# Altium PCB openmv-ae3.PcbDoc (part 3 of 3)
Units mil, origin at the board's own origin, x right, y up, seen from the top; angles counter-clockwise.
Board outline 1000 x 1000 mil, 10 copper layers (Top, 2-GND, 3-H, L4-V, L5-H, L6-V, L7-PWR, L8-SIG, L9-GND, Bottom), stack 47.481 mil thick; 230 components, 156 nets, 939 pads, 483 vias.
Unrouted connection lines stored in the file: 1.
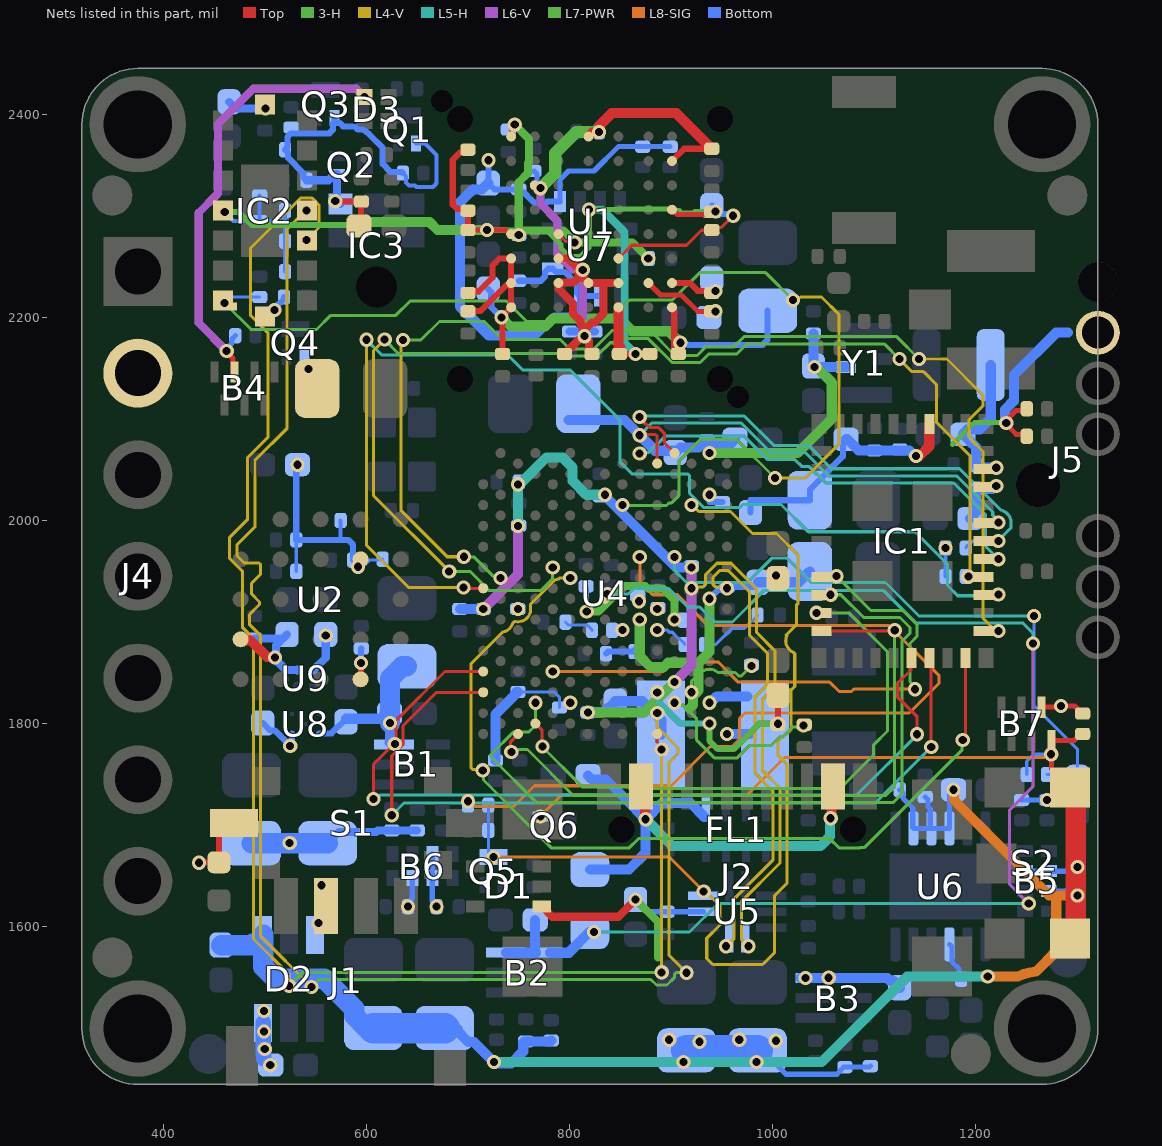
[diagram p11: the nets of this part, all layers, seen from the top]

## Via types
v1: diameter 14, hole 8, Top to Bottom, tented both sides, 183 vias
v2: diameter 14, hole 8, Top to L4-V, tented both sides, 147 vias
v3: diameter 14, hole 8, L7-PWR to Bottom, tented both sides, 83 vias
v4: diameter 14, hole 8, Top to L6-V, tented both sides, 69 vias
v5: diameter 14, hole 8, Top to Bottom, 1 vias

## Nets (pads, with @x,y where several pads share a name; then routed paths per layer and width w, separated by ;. In a path a pad name is that pad's centre, name@x,y a point inside that pad or via, vN(x,y) a via of type N, cw(c..) or ccw(c..) an arc to the next point about the centre after c; other vN are vias at no path point) (continued)
TOF_I2C_RST: IC2.A1 IC2.A8 R31.2 U4.J23 | length 1129.2
  3-H w3: v1(460.45,2214.22) 486.68,2188 551,2188 565,2202 629,2202 643,2216 738,2216 758,2196 838,2196 859.04,2217.04 901.12,2217.04 928.09,2244 993,2244 v2(1020,2217) ; v2(852.01,2015.2) 852.47,2014.74 895.48,2014.74 898.21,2017.46 900.46,2017.46 907.52,2024.52 907.52,2058.52 929,2080 964.08,2080 v2(1002.22,2041.86)
  L4-V w3: v2(1002.22,2041.86) 1031.86,2041.86 1065,2075 1065,2203 1048,2220 1027.26,2220 1026.36,2219.1 1022.1,2219.1 v2(1020,2217)
  Bottom w3: v1(460.45,2214.22) 461.93,2214.22 467.71,2220 R31.2@495,2220
TOF_I2C_SCL: IC2.C4 R30.1 U4.L3 | length 1503.5
  3-H w3: v2(546,1541) 553.34,1548.34 879.98,1548.34 885.48,1542.84 895.84,1542.84 903.16,1550.16 903.16,1553.24 904.92,1555 v2(915,1555)
  L4-V w3: v1(540.93,2305.17) 540.17,2305.17 522,2287 522,2091 490.17,2059.17 490.17,1993.59 472.49,1975.91 472.49,1965.56 479.82,1958.23 494.24,1958.23 496,1956.48 496,1947.39 486.87,1938.26 486.87,1927.91 494.88,1919.9 494.88,1917.41 485.18,1907.72 485.18,1897.36 496,1886.54 496,1591 v2(546,1541) ; v2(886.26,1810.47) 886.26,1796.74 906.78,1776.22 906.78,1770.78 897.66,1761.66 897.66,1572.34 v2(915,1555)
TOF_I2C_SDA: IC2.C3 R29.1 U4.L1 | length 1512.7
  Top w3: U4.L1@886.26,1790 886.26,1781.5 890.66,1777.1 v2(890.66,1774.66)
  3-H w3: v2(524,1542) 537.34,1555.34 v2(890.66,1555.34)
  L4-V w3: v2(524,1542) 524,1553.1 489,1588.1 489,1883.64 478.18,1894.46 478.18,1949.97 465.49,1962.66 465.49,1983.49 483.17,2001.17 483.17,2062.07 503.31,2082.21 503.31,2084.69 503,2085 503,2184.96 486,2201.96 486,2267.92 535.75,2317.67 546.11,2317.67 553.43,2310.35 553.43,2288.43 v1(541,2276) ; v2(890.66,1774.66) v2(890.66,1555.34) v2@891,1555
USB_D_N: U4.N15 U5.6 | length 480.6
  L4-V w3: v2(920.02,1933.37) 921.43,1934.78 931.52,1934.78 933.97,1937.23 933.97,1946.9 945.07,1958 958.9,1958 984,1932.9 984,1890 1002,1872 1002,1836.1 989.67,1823.77 989.67,1754.11 1007.08,1736.7 1007.08,1662.92 969,1624.84 969,1588 v5(976,1581)
USB_D_P: U4.R15 U5.7 | length 457.8
  L4-V w3: v1(954,1581) 962,1589 962,1627.73 1000.08,1665.82 1000.08,1733.8 982.67,1751.21 982.67,1826.67 995,1839 995,1869.1 977,1887.1 977,1930 956,1951 947.97,1951 940.97,1944 940.97,1937.23 943.42,1934.78 953.51,1934.78 v2(954.92,1933.37)
USB_D_SEL: R18.1 U4.K18 | length 892.6
  L8-SIG w3: v3(699.9,1723.72) 701.99,1723.72 707.15,1718.55 745,1718.55 765.45,1739 900,1739 938.56,1777.56 960.1,1777.56 967.42,1784.88 967.42,1805.36 972.6,1810.53 1134.21,1810.53 1163.76,1840.08 1163.76,1847.24 1114.43,1896.57 936.57,1896.57 906.15,1927 882,1927 869.13,1939.87 v1(869.13,1964.02)
USB_D_SEL_FB: Q5.3 R18.2 R19.2 U4.N23 U5.10 | length 969.6
  L8-SIG w3: v3(725,1668.78) 898.22,1668.78 v1(932,1635)
  L4-V w3: v2(920.02,2015.26) 921.02,2015.26 927.28,2009 958.38,2009 980.03,1987.35 1003.65,1987.35 1025,1966 1025,1918.72 1023.56,1917.28 1023.56,1897.7 1013.25,1887.39 1013.84,1886.8 ccw(c1025.27,1881.74) 1020.38,1870.23 1020.77,1869.84 1021.65,1868.96 1021.65,1836.78 1017.84,1832.97 1017.84,1793.84 1014,1790 1012.76,1790 1005,1782.24 1005,1768.9 1013.96,1759.94 1013.96,1739.72 1014.08,1739.6 1014.08,1660.02 1013.96,1659.9 1013.96,1643.11 1001.82,1630.97 1001.82,1574.82 990,1563 941,1563 935,1569 935,1589 948,1602 948,1621 934,1635 v1(932,1635)
  Bottom w3: R18.2@720,1720 R19.2@720,1695 720,1673.78 v3(725,1668.78)
USB_R: R38.1 U4.K14
  other v1: 868.26,1920.58
USB_VBUS: C53.2 FL1.1 J2.A4 J2.A9 L7.1 | length 520.9
  Top w10: J2.A4@870.51,1738.46 874.12,1734.85 874.12,1706.82 v1(874.89,1706.05) ; v1(1057,1707) 1057.77,1707.77 1057.77,1736.74 J2.A9@1059.49,1738.46
  L5-H w10: v1(874.89,1706.05) 901.18,1679.77 1047.09,1679.77 1056.23,1688.92 1056.23,1706.23 v1(1057,1707)
  Bottom w10: C53.2@818.13,1749 821.97,1745.16 835.84,1745.16 855,1726 855,1725.94 v1(874.89,1706.05) ; L7.1@820,1656.5 858.5,1656.5 874.89,1672.89 v1(874.89,1706.05) ; FL1.1@932.91,1708.13 919.04,1722 890.84,1722 v1(874.89,1706.05)
USR_SW: B7.4 Q6.2 R52.2 R53.2 S2.1 S2.5 | length 808.5
  Top w5: S2.5@1292.48,1737.5 1274.53,1755.45 B7.4@1274.53,1783.66 1297.07,1783.66 1303.41,1790 R52.2@1305,1790
  Top w20: S2.1@1292.48,1588.5 1298.29,1594.31 1298.29,1731.69 S2.5@1292.48,1737.5
  L8-SIG w3: v3(771.22,1708.86) 792.36,1730 975,1730 1012,1767 1266.74,1767 1267.64,1767.9 1271.9,1767.9 v1(1274,1770)
  Bottom w3: R53.2@1250,1750 1250,1763 1257,1770 v1(1274,1770)
USR_SW_INT: C119.1 R53.1 U4.M18 | length 613
  L5-H w3: v4(903.39,1964.02) 903.39,1950.61 915,1939 975,1939 999,1963 1014,1963 1038,1939 1111,1939 1144,1906 v1(1257,1906)
  Bottom w3: v1(1257,1906) 1257,1818 1300,1775 C119.1@1300,1747.29 1297.29,1750 R53.1@1270,1750
VBUS: B2.1 B2.6 C64.1 L7.2 U4.H14 | length 1298.6
  L5-H w3: v1(824,1595) 918,1595 946,1623 v4(1252,1623) ; v4(837.03,1927.69) 857.69,1927.69 863.08,1933.08 897.92,1933.08 916,1915 928.03,1915 942.81,1900.22 960.35,1900.22 991.13,1931 1109.1,1931 1141.1,1899 1246.32,1899 1256,1889.32 v4(1256,1879)
  L6-V w3: v4(1252,1623) 1233,1642 1233,1715 1256,1738 v4(1256,1879)
  Bottom w10: B2.6@737.28,1574.68 767,1574.68 766.13,1575.56 C64.1@766.13,1607 ; B2.1@780.59,1574.68 799.21,1574.68 L7.2@820,1595.47
VCC_1.2V_CAM: C13.2 C14.2 C15.2 C16.2 C17.2 C18.2 C19.2 C71.1 C73.2 L10.2 R24.2 U1.A4 U1.B7 U1.C2 U1.F3 U1.G3 U1.G4 U1.G5 | length 938.6
  Top w6: U1.B7@900.82,2353.99 912.83,2366 C18.2@938.5,2366
  Top w8: U1.F3@789.01,2257.93 798.59,2257.93 808.7,2247.82 v1@808.7,2246.78 ; C13.2@795,2164 796.5,2164 798.5,2166 798.5,2167.5 811.37,2180.37 813.42,2180.37 v1(814.57,2181.52) ; v1(813.02,2246.78) v1@808.7,2246.78 ; v1@814.57,2185.45 v1@814.57,2184.29 ; v1@814.57,2187.5 821.97,2194.9 824.75,2194.9 833.53,2203.69 833.53,2216.11 833.3,2216.35 833.3,2233.91 ; C16.2@822,2164 821.12,2164 819.12,2166 819.12,2176.97 v1(814.57,2181.52) ; U1.G5@848.06,2233.91 833.3,2233.91 ; v1@808.7,2243.75 U1.G4@818.53,2233.91 833.3,2233.91 ; v1@808.7,2243.75 v1@808.7,2246.78 ; v1@808.7,2243.75 808.7,2238.95 804.02,2234.27 789.36,2234.27 U1.G3@789.01,2233.91 789.36,2233.56 789.36,2227.82 803.53,2213.64 803.53,2203.69 810.64,2196.58 810.64,2193.23 813.42,2190.45 813.42,2184.29 v1@814.57,2184.29 ; v1(814.57,2181.52) v1@814.57,2184.29
  Top w10: U1.A4@818.53,2378.01 822.3,2381.77 828.15,2381.77 v1(828.92,2382.54) 829.68,2383.3 829.68,2389.16 841.53,2401 905,2401 937.5,2368.5 937.5,2367 938.5,2366 C18.2@940,2366
  L5-H w8: v1@812.48,2247.32 v1(813.02,2246.78)
  L6-V w8: v1(771.21,2327.18) 771.21,2311.79 788,2295 788,2262 802.68,2247.32 v1@812.48,2247.32 ; v1(813.02,2246.78) 813.02,2184.7 814.57,2183.14 v1(814.57,2181.52)
  L7-PWR w12: v1(771.21,2327.18) 785.86,2341.83 785.86,2361.86 806.54,2382.54 v1(828.92,2382.54)
  Bottom w5: C17.2@765,2344 767.96,2341.04 767.96,2332.87 771.21,2329.61 v1(771.21,2327.18)
  Bottom w8: L10.2@562,1682.54 572.84,1693.38 609.55,1693.38 611.17,1695 R24.2@650,1695 ; C14.2@800,2186 C15.2@825,2186
  Bottom w20: C71.1@487,1682.54 v3(524.5,1682.54) L10.2@562,1682.54
VCC_1.8V: B5.3 B5.6 B6.3 B6.6 B7.5 C1.2 C2.2 C3.1 C9.2 C39.1 C40.1 C44.1 C49.2 C50.1 C51.1 C62.1 C66.1 C67.2 C76.1 C77.2 C78.2 C84.2 C104.2 C105.1 C106.2 C107.2 C108.2 C120.2 D4.1 IC1.36 IC3.5 J5.1 L9.2 Q1.1 Q2.1 Q3.1 Q4.1 R1.2 R2.2 R6.2 R7.1 R8.2 R9.2 R10.2 R11.2 R13.1 R22.1 R34.2 R35.2 R36.2 R37.2 R44.2 R45.2 R46.2 R49.2 R50.2 R52.1 S1.1 U2.B4 U2.D1 U2.E4 U4.C13 U4.F4 U4.P24 U7.2 U7.3 U7.5 U7.8 U9.A2 | length 2573.9
  Top w5: v1@1227.78,2096.7 1239.56,2084.91 1248.09,2084.91 R37.2@1250,2083 ; v1(1229.82,2095.9) 1231.54,2097.62 1231.54,2100.46 1239.43,2108.34 1248.34,2108.34 R50.2@1250,2110 ; B7.5@1264.68,1816.34 1282.67,1816.34 v1(1283.82,1817.49) 1297.07,1817.49 1300.31,1814.25 1300.31,1813.46 1303.77,1810 R52.1@1305,1810
  Top w6: v1(435.23,1663.15) 435.51,1663.43 454.73,1663.43 D4.1@455,1663.7 455,1691.72 465.78,1702.5 S1.1@469.86,1702.5 ; v1(569.43,2314.36) 569.8,2314 C76.1@595,2314 595,2292.13 C77.2@592.87,2290 ; U2.E4@594.37,1843.76 594.54,1843.93 594.54,1859.56 v1(594.7,1859.73)
  Top w10: U2.D1@476.26,1883.13 477.36,1882.03 485.97,1882.03 502.13,1865.87 509.26,1865.87 v1(510.03,1865.11) ; v1(1140.91,2063.5) 1144.5,2063.5 1154.07,2073.07 IC1.36@1154.07,2095.16
  L7-PWR w5: 1177,2075 1198.7,2096.7 1229.02,2096.7 v1(1229.82,2095.9)
  Bottom w3: R11.2@531,1950 R10.2@531,1981 ; v1@593,1955 594.6,1956.6 598.6,1956.6 603,1961 615,1961 R9.2@616,1962 ; R49.2@749.25,1831.42 784.58,1831.42 790,1826 C108.2@790,1816 ; C3.1@587,1959.32 v1(591.82,1954.5) 591.82,1956.18 C3.1@587,1961 C3.1@587,1959.32
  Bottom w4: R8.2@574.74,2000.11 574.74,1981.42 575.03,1981.12 ; R44.2@636,2342 639.11,2338.89 639.11,2332.89 642,2330 647.77,2330 649.27,2328.5 665.5,2328.5 669,2332 669,2360 657.78,2371.22 Q1.1@648.86,2371.22 ; R13.1@1170,1945 v3(1170,1973)
  Bottom w5: B6.3@664.84,1671.81 B6.6@664.84,1648.19 664.84,1625.93 669,1621.77 v3(669,1620) ; U7.8@790.47,2314 790.47,2335.47 799,2344 824,2344 848,2368 R1.2@872,2368 R2.2@899,2368 ; L9.2@985,1478.54 989.42,1478.54 1012.96,1455 1063.07,1455 1066,1457.93 1066,1458.23 1069.77,1462 C67.2@1071,1462 1095,1462 R22.1@1096,1463 ; R34.2@1245,1725 v3(1270,1725) ; B5.3@1248.19,1654.84 B5.6@1271.81,1654.84 1292.07,1654.84 1293.04,1655.81 1296.81,1655.81 v3(1300,1659)
  Bottom w6: v3(532.13,2055) 531,2053.87 R10.2@531,1981 582,1981 587,1976 C3.1@587,1961 ; C120.2@541,2335 538,2338 538,2342 523,2357 523,2362 R45.2@520,2365 522.24,2367.24 522.24,2377.49 525.75,2381 563.53,2381 567.04,2384.51 567.04,2391.35 Q3.1@567.95,2391.35 ; Q3.1@568.86,2396.22 568.86,2393.27 570.78,2391.35 573.73,2391.35 577.08,2388 583.73,2388 cw(c583.73,2360.78) 589.04,2387.48 591.64,2384.88 596.38,2384.88 cw(c583.73,2360.78) 603.02,2379.98 616,2367 616,2351 624.01,2342.99 635.01,2342.99 R44.2@636,2342 ; v1(594.7,1859.73) 594.7,1874 C39.1@595,1874 ; v3(720.14,2354.71) 720.07,2354.64 720.07,2332.2 C78.2@720,2332.13 726.13,2326 C51.1@750,2326 753,2323 755,2323 762,2316 764.82,2313.18 777.01,2313.18 777.83,2314 U7.8@790.47,2314 ; C50.1@750,2236 771.68,2236 776,2240.32 776,2244.82 779,2247.82 U7.5@783.5,2247.82 786.5,2244.82 795.18,2244.82 807.16,2232.84 807.16,2224 U7.3@810.16,2221 ; 775,2192 785,2202 810.16,2202 U7.3@810.16,2221 ; U7.2@829.84,2221 U7.3@810.16,2221 ; v1(937.64,2025.43) 937.64,2018.24 C106.2@950.44,2018.24 ; C105.1@978,2007.87 978,2020 C104.2@1036.54,2020 1036.54,2030.54 1069.1,2063.1 1069.1,2076.97 C49.2@1072.13,2080
  Bottom w8: C40.1@490,1884 516.13,1884 516.13,1881.97 511.18,1877.02 511.18,1864.11 v1@510.42,1863.36 ; v1(510.03,1865.11) 510.03,1863.75 v1@510.42,1863.36 ; C9.2@518.13,1884 C9.2@522,1887.87 ; U9.A2@532.13,1852.87 520.91,1852.87 v1@510.42,1863.36 ; C120.2@541,2335 562.66,2335 567.35,2339.69 567.35,2340.22 568.27,2341.14 Q2.1@571.22,2341.14 571.22,2315 IC3.5@574.57,2311.65
  Bottom w10: C78.2@720,2332.13 713.66,2325.79 704.79,2325.79 692,2313 692,2211 721,2182 765,2182 775,2192 ; R36.2@727,1764 727,1809.17 746.75,1828.92 746.75,1830.42 747.75,1831.42 R49.2@749.25,1831.42 ; C49.2@1072.13,2080 1073.62,2080 1084.62,2069 C44.1@1100,2069 1134.33,2069 1139.83,2063.5 v1(1140.91,2063.5) ; v1(1229.82,2095.9) 1229.06,2096.66 1229.06,2099.49 1228.5,2100.05 1228.5,2109.1 1237.28,2117.88 1237.28,2143.28 1279,2185 1290.47,2185
  Bottom w30: C66.1@915,1478.54 984,1478.54 L9.2@985,1478.54
  other v1: 800.63,1820.71 749.25,1912.83 543,2149
  other v3: 912,1467 984,1467 928,1487 1003,1488 898,1489 967,1489
VCC_1.8V_CAM: C10.2 C21.2 C23.2 C24.2 C25.2 C79.1 IC2.A4 R3.2 R4.2 R26.2 R27.2 R28.2 R29.2 R30.2 U1.D4 U1.D7 U1.E1 U1.H5 U9.A1 | length 1156.3
  Top w5: C21.2@700,2286 v2(718.6,2286) 737.2,2286 741.25,2281.95 U1.E1@742.55,2281.95 ; U1.D7@900.82,2305.96 901.43,2305.96 906.17,2301.22 C24.2@937.22,2301.22
  Top w6: C21.2@700,2286 R4.2@700,2305 698.26,2306.74 689.26,2306.74 685,2311 685,2355 692,2362 697,2362 R3.2@700,2365 ; C25.2@851,2165 852.26,2163.74 852.26,2162.87 853.5,2161.63 853.5,2163.95 864.95,2163.95 v1(865,2163.9)
  Top w10: U1.H5@848.06,2209.9 848.06,2172.61 850,2170.67 850,2166 C25.2@851,2165
  3-H w5: v2(718.6,2286) 777,2286 791.5,2271.5 791.5,2267.97 799.41,2260.06 810.59,2260.06 819,2268.47 819,2286.91 819.5,2287.41 819.5,2305.5 v4(819,2306) 848.91,2306 849.73,2306.82 899.18,2306.82 901,2305 907.96,2305 910.43,2302.53 921.61,2302.53 923.32,2304.23 v2(943.5,2304.23)
  3-H w6: v1(460.65,2303.65) 474.35,2303.65 484.02,2293.98 487,2291 583,2291 586,2294
  3-H w10: 586,2294 662,2294 670,2286 v2(718.6,2286)
  L5-H w8: v4(819,2306) 832,2306 854,2284 854,2174.9 v1(865,2163.9)
  Bottom w4: v1(460.65,2303.65) 461.31,2303.65 464.88,2300.08 464.88,2299.42 469.3,2295 R26.2@495,2295 ; R27.2@495,2320 R26.2@495,2295 ; R28.2@520,2245 R29.2@520,2275 R30.2@520,2304.04 ; R30.2@520,2305 R30.2@520,2304.04 ; R26.2@495,2295 510,2295 515.12,2300.12 516.08,2300.12 R30.2@520,2304.04
  Bottom w8: U9.A1@547.87,1852.87 560,1865 v3(560,1887)
VCC_2.8V_CAM: C26.2 C27.2 C28.2 C72.2 C80.1 C81.1 C82.2 IC2.B1 IC2.B7 U1.A1 U1.E3 U1.F6 U8.1 | length 391.3
  Top w3: U1.E3@789.01,2281.95 796.06,2274.89 803.67,2274.89 v1(805,2273.56)
  Top w6: U1.A1@742.55,2378.01 743.29,2378.74 v1@743.29,2384.78
  L7-PWR w3: v1(805,2273.56) v1@805,2274.66
  L7-PWR w8: v1(746,2389.66) 760,2375.66 760,2352.97 759.21,2352.18 759.21,2342.21 750,2333 v3(750,2281) 754.55,2285.55 794.11,2285.55 v1@805,2274.66 ; v1(805,2273.56) 861.87,2273.56 v1(877.5,2257.93)
  Bottom w6: C72.2@498,1800.87 505.59,1793.29 510.22,1793.29 525,1778.5 v1(525,1778) ; v1(509.5,2207.2) 509.5,2209 519,2218.5 C81.1@519,2220 ; v1@526.61,1778 526.53,1778.08 526.53,1785.19 526.61,1785.27 U8.1@526.61,1790.55
  Bottom w8: C82.2@465,2412.13 471.51,2405.61 v1(500.85,2405.61)
VCC_3.3V: B1.6 B3.1 B3.6 B4.3 B6.7 C4.2 C41.1 C43.1 C48.2 C54.1 C55.2 C68.2 C70.2 C74.2 C75.2 C85.2 C88.2 C89.1 C90.2 C91.2 C92.1 C93.2 C94.2 C95.1 C96.2 C102.1 C103.2 C110.1 C111.2 D1.1 D2.3 D2.6 D3.4 IC1.30 J1.2 J4.2 R54.2 U4.K12 U4.L5 U4.P2 U4.P14 U4.P28 U5.9 U8.4 Y1.4 | length 2108.2
  Top w5: v1(462.5,2166.87) 462.5,2165.66 468.72,2159.44 468.72,2147.78 B4.3@470.16,2146.34
  Top w6: v2(1005,1800) C89.1@1005,1827.87
  Top w8: D1.1@772.68,1620.32 775.83,1620.32 777.73,1618.41 777.73,1615.26 782.99,1610 847.87,1610 v1(865,1627.13)
  3-H w6: v1(937.64,1800.24) 937.64,1783.36 946,1775 961.54,1775 986.54,1800 v2(1005,1800)
  L5-H w6: v4(886.26,1830.94) 887.52,1829.68 887.52,1821.58 908.87,1800.24 v1(937.64,1800.24)
  L6-V w8: v1(462.5,2166.87) 435,2194.37 435,2303 454,2322 454,2390.31 484,2420.31 488.69,2425 590,2425 v4(598.19,2416.81)
  L7-PWR w8: v1(865,1627.13) 887,1605.13 887,1570
  L7-PWR w10: v1(869.13,1902.6) 869.13,1866.39 879.63,1855.89 892.89,1855.89 897,1860 927,1860 ; 918,1815 921.64,1818.64 921.64,1827.34 927,1832.7 927,1860 ; v1(937.64,1923.07) 937.64,1870.64 927,1860 ; v1(937.64,2066.41) 1024.41,2066.41 1058,2100 1058,2136 1044.94,2149.06 1044.15,2149.06 1042.15,2151.06 v3(1041.06,2151.06)
  Bottom w5: v1(462.5,2166.87) 462.5,2169.3 467.81,2174.61 467.81,2178.81 R54.2@471,2182 ; v3(641,1620) 644.19,1623.19 644.19,1626.96 645.16,1627.93 B6.7@645.16,1648.19 ; v1(865,1627.13) 877.13,1615 C54.1@896,1615 U5.9@931.59,1615
  Bottom w6: U8.4@553.39,1790.55 565.55,1790.55 C74.2@580,1805 ; B1.6@627.28,1779.68 627.6,1780 v3(628,1780) ; C103.2@835.92,1869.04 837.93,1871.05 C90.2@863.85,1871.05 863.85,1872.55 869.13,1877.83 v1(869.13,1902.6) ; v1(937.64,1923.07) 946.29,1931.72 952.17,1931.72 C111.2@955.17,1934.72 980.8,1934.72 C110.1@985.33,1939.26
  Bottom w10: C70.2@499.05,1470.35 v3(505.4,1464) C70.2@505.87,1464 ; C74.2@580,1805 617.87,1805 C75.2@622.87,1810 ; B1.6@622.68,1781.61 623.33,1782.26 623.33,1798.91 623.2,1799.04 C75.2@622.87,1799.04 ; C91.2@798.83,2099 854,2099 884.29,2068.71 902.16,2068.71 C102.1@904,2066.87 909.1,2071.97 926.64,2071.97 932.5,2077.83 932.5,2078 933.5,2079 C93.2@935,2079 ; C93.2@935,2075.25 958.12,2075.25 C92.1@962.87,2080 ; C110.1@985.33,1939.26 1025.8,1939.26 C94.2@1036.54,1950 ; B3.6@1027.6,1549.76 1027.67,1549.69 v3(1032.2,1549.69) 1036.16,1549.69 B3.6@1042.28,1549.68 B3.1@1085.59,1549.68 1112.72,1549.68 1115.46,1546.95 1118.65,1546.95 1125,1540.6 C68.2@1125,1540.13 ; C41.1@1040,2184 C4.2@1040,2152.13 v3(1041.06,2151.06) Y1.4@1072.28,2151.06 ; C48.2@1194.13,2002 1200,2007.87 C43.1@1200,2031 1215.92,2031 1218.92,2034 v1(1220,2034)
  Bottom w15: D2.6@498.41,1505.69 498.41,1476.2 499.05,1475.56 C70.2@499.05,1470.35
  Bottom w20: v3(623.33,1800.76) 623.33,1809.54 C75.2@622.87,1810 623.33,1810.46 623.33,1844.68 635.19,1856.54 C88.2@640,1856.54
  other v1: 552.93,1604.04 556,1641 1003,1946
  other v3: 500,1480 499.24,1497.2 499.11,1517.41 1055,1550
VCC_3.3V_INT: B5.7 C56.1 C57.1 C58.1 C59.2 C63.1 C65.2 C69.2 C83.1 D2.1 L8.2 R20.2 U6.2 U6.3 U6.4 U6.9 | length 1466.2
  L8-SIG w10: v3(1177.87,1735) 1178.49,1734.38 1178.49,1724.51 1272,1631 1279,1631 ; v1(1211.64,1551.3) 1241.33,1551.3 cw(c1265,1500) 1259.2,1556.2 1279.6,1576.6 1279,1576.6 1279,1631 ; v3(1300,1631) 1279,1631
  L5-H w10: v1(725.72,1467.07) 1048.07,1467.07 1132.3,1551.3 v1(1211.64,1551.3)
  Bottom w5: C56.1@1125,1735 1128.19,1731.81 1128.19,1726.81 1137.76,1717.24 1137.76,1697.75 U6.2@1138.43,1697.09 U6.3@1156.14,1697.09 ; C58.1@1150,1728 1152.67,1725.33 1152.67,1718.33 1155,1716 1155,1698.23 U6.3@1156.14,1697.09 ; U6.9@1173.86,1582.91 1176.28,1580.49 1176.28,1565.72 1183.19,1558.81 1183.19,1550.86 C57.1@1185.39,1548.66 1188.04,1551.3 v1(1211.64,1551.3) ; v3(1177.87,1735) 1173.86,1730.98 U6.4@1173.86,1697.09 U6.3@1156.14,1697.09 ; B5.7@1271.81,1635.16 C83.1@1294.07,1635.16
  Bottom w10: L8.2@689.92,1499.46 689.92,1497.31 700.57,1486.67 705.86,1486.67 725.46,1467.07 v1(725.72,1467.07) ; v1@726.94,1465.59 742.37,1465.59 754.42,1477.64 754.42,1486.26 755.42,1487.26 C65.2@756.92,1487.26 780.92,1487.26 R20.2@781.92,1488.26
  Bottom w20: C69.2@457,1582.13 486.69,1582.13 488.17,1583.61 497.27,1583.61 D2.1@498.41,1584.75 ; D2.1@498.41,1592.31 D2.1@498.41,1584.75 ; C63.1@607,1500.54 599.91,1500.54 588.06,1512.39 588.06,1519.47 558.54,1549 510.13,1549 498.41,1560.72 D2.1@498.41,1584.75
  Bottom w30: C63.1@607,1500.54 L8.2@677,1500.54
VDD_CORE: C86.1 C87.1 C97.2 C98.2 C99.2 C100.2 C101.2 C109.1 L1.2 U4.A13 U4.C21 U4.C25 U4.G3 U4.H24 U4.M6 U4.N17 | length 712.3
  L5-H w10: v1(749.25,1994.72) v1(749.25,2035.67) 750.33,2035.67 752.33,2037.67 752.83,2037.67 777.34,2062.18 792.82,2062.18 803,2052 803,2039 816.57,2025.43 v1(834.88,2025.43) v1@835.65,2024.67
  L6-V w10: v1(715,1912.83) 749.25,1947.09 v1(749.25,1994.72) ; v1(903.39,1841.18) 920.02,1857.82 v1(920.02,1953.84)
  L7-PWR w10: v1(818,1811) 873.2,1811 v1(903.39,1841.18)
  Bottom w10: C98.2@692,1913 714.83,1913 v1(715,1912.83) ; v1(818,1811) 832.72,1811 837.03,1815.3 838.65,1815.3 845,1821.65 C87.1@845,1822.13 871.59,1822.13 890.21,1803.5 L1.2@890.21,1789.65 ; v1(834.88,2025.43) 834.88,2024.12 905.16,1953.84 v1(920.02,1953.84)
VDDAY: C5.2 C6.2 C7.2 C8.2 C11.2 C12.2 U1.F1 U1.G1 U1.H1 U1.H7 | length 601.6
  Top w6: C8.2@700,2206 700.24,2206.24 712.24,2206.24 737.99,2231.99 739.59,2231.99 741.51,2233.91 U1.G1@742.55,2233.91 ; C7.2@700,2224 701.67,2225.67 710.8,2225.67 724,2238.87 724,2251 730.93,2257.93 U1.F1@742.55,2257.93 U1.G1@742.55,2233.91 ; C12.2@734,2165 734,2198.93 v1(732.88,2200.05) 742.55,2209.72 U1.H1@742.55,2209.9 U1.G1@742.55,2233.91 ; U1.H7@900.82,2209.9 900.82,2208.86 903.05,2206.63 C11.2@903.05,2168.16
  L7-PWR w10: v1(732.88,2200.05) 741.93,2191 776,2191 784,2199 848.94,2199 861.54,2186.39 897.61,2186.39 v1(909,2175)
  Bottom w6: C6.2@720,2227.87 722.94,2224.93 722.94,2209.99 v1(732.88,2200.05) ; v1(909,2175) 910.53,2173.47 915.99,2173.47 916.51,2172.95 989.95,2172.95 995,2178 C5.2@995,2206.54
VIN_LDO: C42.1 C47.2 IC1.31 L6.2 | length 144
  Bottom w10: L6.2@1214.5,2153 1214.5,2100.5 1203.84,2089.84 1191.97,2089.84 C47.2@1187.13,2085 1187.6,2085 1193.95,2078.65 1193.95,2078.18 1200,2072.13 C42.1@1200,2055 1200,2053.5 1201,2052.5 1202.5,2052.5 1203,2052 v1(1220,2052)
VNEG: C33.2 C36.2 U1.G6 | length 77.6
  Top w5: U1.G6@877.59,2233.91 889.5,2222 910,2222 926.06,2205.94 939.94,2205.94 C33.2@940,2206 ; C33.2@940,2206 940.1,2205.94 v1(943.5,2205.94)
VPOS: C31.2 C32.2 U1.G7 | length 46
  Top w6: U1.G7@900.82,2233.91 918.09,2233.91 926,2226 v1(943.5,2226)
VPOS2: C29.2 C30.2 U1.F5 | length 155.5
  Top w3: U1.F5@848.06,2257.93 861.13,2271 915,2271 929.76,2285.76 939.76,2285.76 C29.2@940,2286 942.58,2288.58 949.53,2288.58 v1(961.01,2300.06)
  Bottom w6: C30.2@940,2310 940.61,2310 949.02,2301.59 959.48,2301.59 v1(961.01,2300.06)
VREF_P: C112.2 U4.M4 | length 174.9
  3-H w3: v2(903.39,1820.71) 905.49,1818.6 911.4,1818.6 925.14,1804.86 925.14,1783.84 942.48,1766.5 965.06,1766.5 977.31,1778.75 998.75,1778.75 1007.5,1787.5 1010.18,1787.5 1019.67,1796.99 1028.93,1796.99 v2(1030.34,1798.4)
VREG_AON: R48.2 U4.L11 | length 33.3
  Bottom w3: v1(886.26,1892.23) 896.07,1892.23 898.21,1890.1 901.14,1890.1 907.26,1883.98 907.95,1883.98 913.26,1878.67 R48.2@913.26,1877.98
VREG_AON_INT: C113.2 R48.1 | length 64.2
  Bottom w3: R48.1@933.26,1877.98 943.98,1877.98 960,1894 972,1894 979,1901 979.69,1901 985,1906.31 C113.2@985,1907
VREG_DIG_1V8: R47.1 U4.J11
  other v1: 852.01,1892.36
VREG_DIG_1V8_INT: C115.2 R47.2 | length 29.7
  Bottom w3: C115.2@796,1900 799,1897 817.67,1897 822.06,1892.61 R47.2@822.06,1892.05
VREG_LP_1V8: C114.2 U4.N5 | length 81.5
  3-H w3: v2(920.02,1831.01) 920.02,1842.26 920.9,1843.14 921.78,1844.02 924.52,1844.02 925.4,1844.9 925.85,1845.35 cw(c937.64,1841.18) 945.96,1850.51 963,1850.51 966.51,1846.99 968.99,1846.99 v1(979,1857)
VREG_MIPI_0V8: C118.2 U4.L13
  other v1: 886.26,1912.83
VREG_MIPI_1V8: C116.2 C117.2 U4.G13 U4.M12 | length 147.7
  L7-PWR w8: v1(816.86,1910.38) v1(816.86,1910.38) 828.4,1910.44 853.54,1935.58 874.47,1935.58 877.05,1933 892,1933 903.39,1921.61 v1(903.39,1902.6)
  Bottom w3: C116.2@816.25,1935.3 817.76,1933.79 817.76,1911.28 v1(816.86,1910.38)
VSW: L1.1 U4.P4 U4.R1 | length 62.8
  Bottom w10: v1(937.64,1820.71) 938.72,1820.71 944.97,1826.96 L1.1@975.29,1826.96 ; v1(954.92,1790.06) 977.2,1790.06 L1.1@977.37,1789.88
WIFI_GPIO_1: IC1.18 U4.A5 | length 832.4
  Top w3: v4(625,1710) 625,1768.2 636,1779.2 636,1798 668.94,1830.94 U4.A5@715,1830.94 ; IC1.18@1154.07,1864.84 1155.95,1862.97 v4(1155.95,1777.18)
  L5-H w3: v4(625,1710) 637,1722 1100.77,1722 v4(1155.95,1777.18)
WIFI_GPIO_2: IC1.17 U4.A7 | length 842.7
  Top w3: v4(607,1726) 607,1760.1 629,1782.1 629,1803 677.42,1851.42 U4.A7@715,1851.42 ; IC1.17@1136.36,1864.84 1136,1864.48 1136,1853 1125,1842 1124.76,1842 1123,1840.24 1123,1826 1142.07,1806.93 v4(1142.07,1789.62)
  L5-H w3: v4(607,1726) 609.98,1726 613.98,1730 1083,1730 1142.07,1789.07 v4(1142.07,1789.62)
WIFI_I2S_SCLK: IC1.11 U4.C1 | length 648.6
  Top w3: v2(742.69,1772.08) 741.66,1773.11 741.66,1781.83 749.25,1789.41 U4.C1@749.25,1790 ; IC1.11@1047.78,1891.42 1119.42,1891.42 v2(1120,1892)
  3-H w3: v2(742.69,1772.08) 744.79,1774.19 749.54,1774.19 749.95,1774.59 758.53,1774.59 803.74,1729.39 1111.39,1729.39 1120,1738 v2(1120,1892)
WIFI_I2S_SDI: IC1.10 U4.D2 | length 575.6
  Top w3: U4.D2@766.38,1800.24 773,1793.61 773,1777.97 v2(773.31,1777.67)
  3-H w3: v2(773.31,1777.67) 773.31,1777.06 812.37,1738 857.2,1738 858.82,1736.39 1066.32,1736.39 1099.26,1769.32 1099.26,1779.22 1113,1792.96 1113,1871 1074.8,1909.2 v2(1043.06,1909.2)
WIFI_I2S_SDO: IC1.9 U4.D4 | length 765.2
  3-H w3: v2(766.38,1820.71) 766.38,1798.38 760,1792 744.93,1792 722.7,1769.77 722.7,1767.29 767.6,1722.39 1118.39,1722.39 1127,1731 1127,1881 1135,1889 1135,1894.68 1125.18,1904.5 1089.4,1904.5 1066.9,1927 v2(1057,1927)
WIFI_I2S_WS: IC1.8 U4.E7 | length 541.1
  3-H w3: v2(1062.83,1945.27) 1062.83,1945.17 1096.5,1911.5 1128.08,1911.5 1142,1897.58 1142,1886.1 1135,1879.1 1135,1841.26 1140,1836.26 v1(1140,1834)
  L8-SIG w3: v1(783.5,1851.42) 892.42,1851.42 902,1861 946,1861 966,1841 1056,1841 1065.34,1831.66 1077.49,1831.66 1079.82,1834 v1(1140,1834)
WIFI_IRQ: IC1.26 U4.K28 | length 428.4
  L5-H w3: v4(869,2066) 870.13,2067.13 878.13,2067.13 894.05,2083.05 972.05,2083.05 995.1,2060 1021.9,2060 1028.9,2053 1036,2053 1052,2037 1178,2037 1209.5,2005.5 1209.5,1974.5 v4(1222,1962)
WIFI_MISO: IC1.24 U4.A15 | length 1110.8
  Top w3: v2(695.5,1934) 696.19,1933.31 U4.A15@715,1933.31
  L4-V w3: v4(600,2178) 600,1976 642,1934 v2(695.5,1934)
  L5-H w3: v4(600,2178) 615,2163 739.1,2163 754.1,2148 801,2148 849.5,2099.5 849.5,2057.92 861.42,2046 916.24,2046 918,2044.24 918,2027 932.07,2012.93 967.79,2012.93 970.74,2015.88 1008.12,2015.88 1035,1989 1140,1989 1172,1957 1172,1936 1182,1926 1220.88,1926 v4(1222.02,1927.14)
WIFI_MOSI: IC1.22 U4.B16 | length 1187.7
  3-H w3: v2(635.99,2177.65) 653.65,2177.65 672,2196 716,2196 734,2178 791,2178 800,2169 824,2169 842,2187 879.32,2187 903.82,2162.5 925.6,2162.5 934.1,2171 961.65,2171 971.65,2181 1122,2181 v2(1144,2159) ; v2(695.93,1964.37) 695.98,1964.33 705.67,1964.33 724.35,1945.65 v2@730.02,1945.65
  L4-V w3: v2(635.99,2177.65) 633.97,2175.63 633.97,2010.03 679.63,1964.37 v2(695.93,1964.37) ; v2(635.99,2177.65) v2@639.02,2177.7 ; v2@730.02,1945.65 v2(732.13,1943.54) ; v2(1144,2159) 1171.49,2159 1207,2123.49 1207,2113 1193,2099 1193,2083 1195,2081 1195,2080 1207,2068 1207,1904 1219.76,1891.24 v2(1222.3,1891.24)
WIFI_SCLK: IC1.20 U4.F16 | length 900.5
  Top w3: v2(1187,1784) 1187,1786.98 1189.51,1789.48 IC1.20@1189.51,1864.84
  3-H w3: v2(714.5,1754.16) 715.19,1753.47 715.19,1744.58 781.93,1677.85 858.8,1677.85 867.89,1686.93 1056.07,1686.93 1065.15,1677.85 1085.85,1677.85 1086,1678 1090,1678 1186.37,1774.37 1186.37,1783.37 v2(1187,1784)
  L4-V w3: v2(714.5,1754.16) 713.81,1754.85 704.92,1754.85 702.87,1756.91 702.87,1858.87 734.29,1890.29 ccw(c732.13,1902.6) 743.95,1898.54 cw(c746.78,1897.53) 747.24,1900.5 ccw(c749.25,1912.83) 761.39,1915.81 761.39,1916.15 761.39,1917.39 785.43,1941.43 ccw(c783.5,1953.78) 790.68,1943.54 v2(800.63,1943.54)
WIFI_SSEL: IC1.25 R13.2 U4.E17 | length 1183.4
  3-H w3: v2(618,2178.13) 618,2177.97 631.52,2164.45 794.65,2164.45 797.1,2162 826.9,2162 839.9,2175 843,2175 847,2179 877.42,2179 900.92,2155.5 928.5,2155.5 937,2164 964.54,2164 974.54,2174 1109.6,2174 v2(1124.61,2158.99) ; v2(681.5,1950) 702,1950 720.96,1931.04 771.56,1931.04 783.04,1942.52 783.04,1953.31 v2(783.5,1953.78)
  L4-V w3: v2(618,2178.13) 607,2167.13 607,2024.5 v2(681.5,1950) ; v2(1124.61,2158.99) 1137.1,2146.5 1148.5,2146.5 1161,2134 1161,2097 1194,2064 1194,1946.32 v1(1192.48,1944.81)
WL_H_WAKE: IC1.27 R6.1 U4.M28 | length 525
  Top w3: v4(869,2102) 869,2101 875.08,2094.92 cw(c869,2084) 878.05,2092.62 878.93,2091.74 887.4,2091.74 893.26,2085.88 893.26,2076.74 903.37,2066.63 U4.M28@903.39,2066.41
  L5-H w3: v4(869,2102) 870,2103 971.9,2103 1000.9,2074 1034.8,2074 1057.8,2051 1183.8,2051 1211.75,2023.05 1224.56,2010.23 cw(c1222,1998) 1234.09,2001.19 ccw(c1236.98,2001.99) 1234.5,2000.3 1234.5,1999.33 1234.5,1992.82 1222,1980.32 v1(1222,1980)
  Bottom w3: R6.1@1190,1973 1190,1973.69 1195.31,1979 1196,1979 1197,1980 v1(1222,1980)
WL_REG_ON: IC1.28 U4.L27 | length 446.6
  Top w3: v4(869,2084) 869.74,2084.74 884.5,2084.74 886.26,2082.98 U4.L27@886.26,2056.14
  L5-H w3: v4(869,2084) 881,2096 969,2096 998,2067 1031.9,2067 1054.9,2044 1180.9,2044 1216.5,2008.4 1216.5,2005.26 1222,1999.76 v4(1222,1998)
pads on no net: ANT1.2 B1.2 B2.2 B3.2 D2.4 D2.5 FD1.1 FD2.1 FD3.1 FD4.1 FD5.1 FD6.1 FD7.1 FD8.1 FL1.4 IC1.6 IC1.7 IC1.13 IC1.15 IC1.16 IC2.C5 J2.A8 J2.B8 J2.MH1 J2.MH2 J5.MH M1.0 U1.A5 U1.A7 U1.B6 U1.C5 U1.C7 U1.D6 U1.E6 U2.A3 U2.B5 U4.A11 U4.A17 U4.A19 U4.B6 U4.B8 U4.B10 U4.B14 U4.B18 U4.B26 U4.B28 U4.C11 U4.C15 U4.C23 U4.C27 U4.D8 U4.D12 U4.D14 U4.D18 U4.D26 U4.D28 U4.E9 U4.E13 U4.E15 U4.E21 U4.E23 U4.F8 U4.F18 U4.F24 U4.F28 U4.G11 U4.G15 U4.H8 U4.H10 U4.H12 U4.H16 U4.H18 U4.J7 U4.J9 U4.J17 U4.J19 U4.J21 U4.K4 U4.L15 U4.L21 U4.L23 U4.L25 U4.M8 U4.M10 U4.M14 U4.M16 U4.M24 U4.M26 U4.N3 U4.N7 U4.N9 U4.N11 U4.N13 U4.N21 U4.P8 U4.P10 U4.P12 U4.P16 U4.P18 U4.P22 U4.P26 U4.R7 U4.R11 U4.R17 U4.R19 U4.R23 U6.6 U6.8 U7.10 U7.11 Y1.1

## Polygon pours and split planes (outlines as drawn)
GND on Top "GND_L01_P021" (solid, remove dead copper, pour order 21): 321,1446 1320,1446 1320,2445 320,2445 320,1501
SHIELD on Top "SHIELD_L01_P013" (solid, remove dead copper, pour order 13): 737,1702 1188,1702 1188,1542 737,1542
GND on L7-PWR "GND_L07_P028" (solid, remove dead copper, pour order 28): 321,1446 1320,1446 1320,2445 320,2445 320,1501
VCC_3.3V on L7-PWR "VCC_3.3V_L07_P010" (solid, remove dead copper, pour order 10): 903,1815 903,2108 987,2192 1290,2192 1290,1717 896.88,1717
VCC_1.8V_CAM on L7-PWR "VCC_1.8V_CAM_L07_P000" (solid, remove dead copper, pour order 0): 545,1911 800,2166 841,2166 854,2179 876,2179 889,2166 889,2104 661,1876 556.8,1876 545,1889.11
VCC_3.3V on L7-PWR "VCC_3.3V_L07_P019" (solid, remove dead copper, pour order 19): 829,1901.51 829,1816.82 914.39,1816.82 914.39,1900.41
VCC_2.8V_CAM on L7-PWR "VCC_2.8V_CAM_L07_P015" (solid, remove dead copper, pour order 15): 733,2409 733,2245 898,2245 898,2409
VCC_1.8V on L7-PWR "VCC_1.8V_L07_P002" (solid, remove dead copper, pour order 2): 573,2333 573,2360 495,2360 495,2327 465,2327 465,1828 779,1828 779,1778 829,1778 829,1917 917,2005 948,2005 948,1964 1183,1964 1183,2082 1138,2082 1071,2042 852.43,2039.43 790,1977 682,1869 551,1869 541,1879 541,1917 569,1945 569,2236 599,2266 599,2333
VCC_1.8V on L7-PWR "VCC_1.8V_L07_P004" (solid, remove dead copper, pour order 4): 878,1517 1123,1517 1255,1649 1255,1842 1320,1842 1320,1445 878,1445
VCC_3.3V on L7-PWR "VCC_3.3V_L07_P009" (solid, remove dead copper, pour order 9): 610,1821 948,1821 948,1717 611.46,1717
VCC_3.3V on L7-PWR "VCC_3.3V_L07_P008" (solid, remove dead copper, pour order 8): 484,1537 842,1537 884,1579 1073,1579 1073,1517 878,1517 878,1445 484.5,1445
VCC_3.3V on L7-PWR "VCC_3.3V_L07_P001" (solid, remove dead copper, pour order 1): 320,2194 453,2194 464,2183 464,1854 491,1827 617,1827 655,1789 655,1607 643,1595 573,1595 520,1542 520,1445 421,1445 421,2089 416,2094 319,2094
VCC_1.8V on L7-PWR "VCC_1.8V_L07_P005" (solid, remove dead copper, pour order 5): 546,2358 650,2358 664,2372 733,2372 733,2296 561,2296
GND on L8-SIG "GND_L08_P029" (solid, remove dead copper, pour order 29): 321,1446 1320,1446 1320,2445 320,2445 320,1501
VCC_3.3V_INT on L8-SIG "VCC_3.3V_INT_L08_P014" (solid, remove dead copper, pour order 14): 1126,1746 1126,1533 1316,1533 1316,1746
VCC_1.8V on L8-SIG "VCC_1.8V_L08_P006" (solid, remove dead copper, pour order 6): 732,1563 702,1593 702,1699 809,1806 809,1878 321,1878 320,1879 320,1448 1015,1448 1015,1563
VCC_1.2V_CAM on L8-SIG "VCC_1.2V_CAM_L08_P003" (solid, remove dead copper, pour order 3): 533.83,1676.3 533.83,1811.17 494,1851 494,2097 834,2097 834,2253 752,2253 752,2179 507,2179 507,2130 458,2130 458,1676
GND on 2-GND "GND_L02_P011" (solid, remove dead copper, pour order 11): 321,1446 1320,1446 1320,2445 320,2445 320,1501
GND on L9-GND "GND_L09_P012" (solid, remove dead copper, pour order 12): 321,1446 1320,1446 1320,2445 320,2445 320,1501
GND on Bottom "GND_L10_P022" (solid, remove dead copper, pour order 22): 321,1446 1320,1446 1320,2445 320,2445 320,1501
GND on L6-V "GND_L06_P027" (solid, remove dead copper, pour order 27): 321,1446 1320,1446 1320,2445 320,2445 320,1501
VCC_1.2V_CAM on L6-V "VCC_1.2V_CAM_L06_P016" (solid, remove dead copper, pour order 16): 771.49,2334.17 708,2334.17 708,2213 732,2189 794,2189 809,2174 820,2174 825,2179 825,2313 824,2314 796,2314 776,2334
VCC_2.8V_CAM on L6-V "VCC_2.8V_CAM_L06_P007" (solid, remove dead copper, pour order 7): 545,2299 766,2299 766,2447 463,2447 463,1760 545,1760
VDD_CORE on L6-V "VDD_CORE_L06_P020" (solid, remove dead copper, pour order 20): 692,2056 790,2056 790,1894 690,1894
GND on L5-H "GND_L05_P026" (solid, remove dead copper, pour order 26): 321,1446 1320,1446 1320,2445 320,2445 320,1501
VCC_3.3V_INT on L5-H "VCC_3.3V_INT_L05_P023" (solid, remove dead copper, pour order 23): 1227,1570 687,1570 687,1444 1228,1444
VDD_CORE on L5-H "VDD_CORE_L05_P018" (solid, remove dead copper, pour order 18): 843,2129 711.67,2129 711.67,1982 843,1982
VCC_1.8V_CAM on L5-H "VCC_1.8V_CAM_L05_P017" (solid, remove dead copper, pour order 17): 747,2317 747,2156 880,2156 880,2317
GND on 3-H "GND_L03_P024" (solid, remove dead copper, pour order 24): 321,1446 1320,1446 1320,2445 320,2445 320,1501
GND on L4-V "GND_L04_P025" (solid, remove dead copper, pour order 25): 321,1446 1320,1446 1320,2445 320,2445 320,1501

## Keep-outs
Top:
  region: 1290,2060 1290,2010 1320,2010 1320,2060
  region: 1303.68,1850.5 1303.68,1835.5 1316,1835.5 1316,1850.5
  region: 1282.04,2224.83 1282.04,2209.83 1294.37,2209.83 1294.37,2224.83
Bottom:
  region: 1290,2060 1290,2010 1320,2010 1320,2060
  region: 1290,1850.5 1290,1835.5 1316,1835.5 1316,1850.5
  region: 1282.09,2225 1282.09,2210 1294.41,2210 1294.41,2225
Keep-Out Layer:
  the board outline again, w5

## Other copper
Top:
  pour cut-out: 442,2430 561.18,2430 561.18,2176.19 442,2176.19 442,2429
  pour cut-out: 1052.2,2103.67 1052.2,2184.23 1041.46,2184.23 1041.46,2312 1134,2312 1134,2248.25 1196,2248.25 1196,2162.86 1078.38,2162.86 1078.38,2103.6
  pour cut-out: 1036,2109 1036,1852 1222,1852 1222,2109 1217,2109
  pour cut-out: 925.78,2409 925.78,2180 715,2180 715,2409
  pour cut-out: 677.78,2084.74 677.78,1762 433,1762 433,2084.74
  pour cut-out: 975,2086 975,1770 696,1770 696,2086
  pour cut-out: 960,2445 1215,2445 1215,2305 960,2305
2-GND:
  pour cut-out: 960,2445 1215,2445 1215,2305 960,2305
  pour cut-out: 1076.8,2223.18 1076.8,2244.84 1053.18,2244.84 1053.18,2223.18
  pour cut-out: 1076.8,2185.18 1076.8,2206.84 1053.18,2206.84 1053.18,2185.18
  pour cut-out: 1134,2227.68 1134,2188.31 1175.34,2188.31 1175.34,2227.68
3-H:
  pour cut-out: 960,2445 1215,2445 1215,2305 960,2305
L8-SIG:
  pour cut-out: 960,2445 1215,2445 1215,2305 960,2305
L9-GND:
  pour cut-out: 960,2445 1215,2445 1215,2305 960,2305
L4-V:
  pour cut-out: 960,2445 1215,2445 1215,2305 960,2305
L5-H:
  pour cut-out: 960,2445 1215,2445 1215,2305 960,2305
L6-V:
  pour cut-out: 960,2445 1215,2445 1215,2305 960,2305
L7-PWR:
  pour cut-out: 960,2445 1215,2445 1215,2305 960,2305
Bottom:
  pour cut-out: 519.21,1817.43 519.21,1783.02 562.17,1783.02 562.17,1817.43
  pour cut-out: 960,2445 1215,2445 1215,2305 960,2305

## Silkscreen, mask and mechanical layers (free items; w line width, h text height)
Top Overlay:
  rectangle: 801.17,1455 1127,1710
  lines w5: 440,2200 460,2180
  text "AE3" at 1270,1850 h27.2 r90
  text "OpenMV" at 1035,1805 h27.2
  text "Cam" at 1115,1760 h27.2
  text "R" at 470,1730 h27.2 r90
  text "USR" at 1185,1600 h27.2 r90
  text "IIC" at 770,1455 h26 r90
Bottom Overlay:
  drawing of 266 lines, arcs and shapes, not listed
  text "Z+ Back" at 1175,2405 h27.2
  text "Z- Front" at 1175,2355 h27.2
  text "X+" at 845,2350 h27.2 r270
  text "Y+" at 1015,2305 h27.2
  text "ECV3-06-CTX" at 1270,2290 h20 r90
  text "Y-" at 670,2255 h27.2 r270
  text "Rev 1 / 7.14.24" at 1225,2215 h27.2
  text "GND" at 445,2205 h27.2 r270
  text "3V3" at 445,2110 h27.2 r270
  text "X-" at 845,2095 h27.2 r270
  text "P3" at 445,2015 h27.2 r270
  text "ARM-SWD" at 1270,1990 h20 r90
  text "P2" at 445,1920 h27.2 r270
  text "P1" at 445,1825 h27.2 r270
  text "openmv.io" at 690,1800 h27.2 r270
  text "OpenMV" at 1270,1775 h26.35
  text "P0" at 445,1725 h27.2 r270
  text "RST" at 445,1610 h27.2 r270
Dimension:
  lines w3.94: 1741.48,2427.71 1847.44,2427.71 2052.16,2427.71 2203.34,2427.71 ; 1741.48,2478.45 1847.44,2478.45 2052.16,2478.45 2203.34,2478.45 ; 1741.48,2529.19 1847.44,2529.19 2052.16,2529.19 2203.34,2529.19 ; 1741.48,2579.93 1847.44,2579.93 2052.16,2579.93 2203.34,2579.93 ; 1741.48,2630.66 1847.44,2630.66 2052.16,2630.66 2203.34,2630.66 ; 1741.48,2681.4 1847.44,2681.4 2052.16,2681.4 2203.34,2681.4 ; 1741.48,2732.14 1847.44,2732.14 2052.16,2732.14 2203.34,2732.14 ; 1741.48,2782.88 1847.44,2782.88 2052.16,2782.88 2203.34,2782.88 ; 1741.48,2833.62 1847.44,2833.62 2052.16,2833.62 2203.34,2833.62 ; 1741.48,2884.36 1847.44,2884.36 2052.16,2884.36 2203.34,2884.36 ; 1741.48,2935.1 1847.44,2935.1 2052.16,2935.1 2203.34,2935.1 ; 1741.48,2985.84 1847.44,2985.84 2052.16,2985.84 2203.34,2985.84 ; 1741.48,3036.58 1847.44,3036.58 2052.16,3036.58 2203.34,3036.58 ; 1741.48,3087.32 1847.44,3087.32 2052.16,3087.32 2203.34,3087.32 ; 1741.48,3138.06 1847.44,3138.06 2052.16,3138.06 2203.34,3138.06 ; 1741.48,3188.8 1847.44,3188.8 2052.16,3188.8 2203.34,3188.8 ; 1741.48,3239.53 1847.44,3239.53 2052.16,3239.53 2203.34,3239.53 ; 1741.48,3290.27 1847.44,3290.27 2052.16,3290.27 2203.34,3290.27 ; 1741.48,3341.01 1847.44,3341.01 2052.16,3341.01 2203.34,3341.01 ; 1741.48,3391.75 1847.44,3391.75 2052.16,3391.75 2203.34,3391.75 ; 1741.48,3442.49 1847.44,3442.49 2052.16,3442.49 2203.34,3442.49 ; 1741.48,3493.23 1847.44,3493.23 2052.16,3493.23 2203.34,3493.23 ; 1741.48,3543.97 2203.34,3543.97 ; 1847.44,3594.71 1847.44,2376.97 ; 2052.16,3594.71 2052.16,2376.97 ; 1847.44,2376.97 1741.48,2376.97 1741.48,3594.71 2203.34,3594.71 2203.34,2376.97 2052.16,2376.97 ; 1847.44,2376.97 2052.16,2376.97
  text "Layer" at 1766.85,3556.65 h25.37
  text "Name" at 1872.81,3556.65 h25.37
  text "Thickness" at 2077.53,3556.65 h25.37
  text "Top Overlay" at 1872.81,3505.92 h25.37
  text "Top Solder" at 1872.81,3455.18 h25.37
  text "0.010mm" at 2077.53,3455.18 h25.37
  text "1" at 1766.85,3404.44 h25.37
  text "Top" at 1872.81,3404.44 h25.37
  text "0.035mm" at 2077.53,3404.44 h25.37
  text "Dielectric 1" at 1872.81,3353.7 h25.37
  text "0.071mm" at 2077.53,3353.7 h25.37
  text "2" at 1766.82,3302.96 h25.37
  text "2-GND" at 1872.79,3302.96 h25.37
  text "0.035mm" at 2077.53,3302.96 h25.37
  text "Dielectric 2" at 1872.81,3252.22 h25.37
  text "0.071mm" at 2077.53,3252.22 h25.37
  text "3" at 1766.85,3201.48 h25.37
  text "3-H" at 1872.81,3201.48 h25.37
  text "0.035mm" at 2077.53,3201.48 h25.37
  text "Dielectric 3" at 1872.81,3150.74 h25.37
  text "0.071mm" at 2077.53,3150.74 h25.37
  text "4" at 1766.85,3100 h25.37
  text "L4-V" at 1872.81,3100 h25.37
  text "0.035mm" at 2077.53,3100 h25.37
  text "Dielectric 4" at 1872.81,3049.26 h25.37
  text "0.140mm" at 2077.53,3049.26 h25.37
  text "5" at 1766.85,2998.52 h25.37
  text "L5-H" at 1872.81,2998.52 h25.37
  text "0.035mm" at 2077.53,2998.52 h25.37
  text "Dielectric 5" at 1872.81,2947.78 h25.37
  text "0.150mm" at 2077.53,2947.78 h25.37
  text "6" at 1766.85,2897.05 h25.37
  text "L6-V" at 1872.81,2897.05 h25.37
  text "0.035mm" at 2077.53,2897.05 h25.37
  text "Dielectric 6" at 1872.81,2846.31 h25.37
  text "0.140mm" at 2077.53,2846.31 h25.37
  text "7" at 1766.85,2795.57 h25.37
  text "L7-PWR" at 1872.81,2795.57 h25.37
  text "0.035mm" at 2077.53,2795.57 h25.37
  text "Dielectric 7" at 1872.81,2744.83 h25.37
  text "0.071mm" at 2077.53,2744.83 h25.37
  text "8" at 1766.85,2694.09 h25.37
  text "L8-SIG" at 1872.81,2694.09 h25.37
  text "0.035mm" at 2077.53,2694.09 h25.37
  text "Dielectric 8" at 1872.81,2643.35 h25.37
  text "0.071mm" at 2077.53,2643.35 h25.37
  text "9" at 1766.85,2592.61 h25.37
  text "L9-GND" at 1872.81,2592.61 h25.37
  text "0.035mm" at 2077.53,2592.61 h25.37
  text "OpenMV-AE3-R3" at 0,2551.2 h80
  text "Dielectric 9" at 1872.81,2541.87 h25.37
  text "0.071mm" at 2077.53,2541.87 h25.37
  text "10" at 1766.85,2491.13 h25.37
  text "Bottom" at 1872.81,2491.13 h25.37
  text "0.035mm" at 2077.53,2491.13 h25.37
  text "Bottom Solder" at 1872.81,2440.39 h25.37
  text "0.010mm" at 2077.53,2440.39 h25.37
  text "Bottom Overlay" at 1872.81,2389.65 h25.37
  text "TG-170 or equivalent substrate  / Er = 4.3-4.5 @ 1MHz / +/- 10% /  / double side solder mask red / double side silkscreen white /  / 3 mil min trace width and / 4 mil min isolation /  / RoHS required" at 2308,2375 h30

## Dimensions
320,1445 to 1320,1445 on Dimension
1320,1445 to 1320,2445 on Dimension

## Text inside footprints (layer, text, board x,y; h text height)
U1: Top 3D Body "chip center" at 821.68,2292.52 h10; Top 3D Body "optical center" at 835.44,2239.23 h10
U5: Bottom 3D Body "*" at 974.25,1638 h50 r90
U7: Top 3D Body 2 (Mech13) "X" at 813.11,2300.96 h11.81 r270; Top 3D Body 2 (Mech13) "Y" at 853.46,2263.56 h11.81 r270; Top 3D Body 2 (Mech13) "Z" at 814.09,2249.78 h11.81 r270